# Altium PCB SJ2096POE.PcbDoc (part 5 of 5)
Units mm, origin at the board's own origin, x right, y up, seen from the top; angles counter-clockwise.
Board outline 60 x 60 mm, 4 copper layers (Top Layer, Layer 2, Layer 3, Bottom Layer), stack 1.578 mm thick; 235 components, 211 nets, 948 pads, 686 vias.
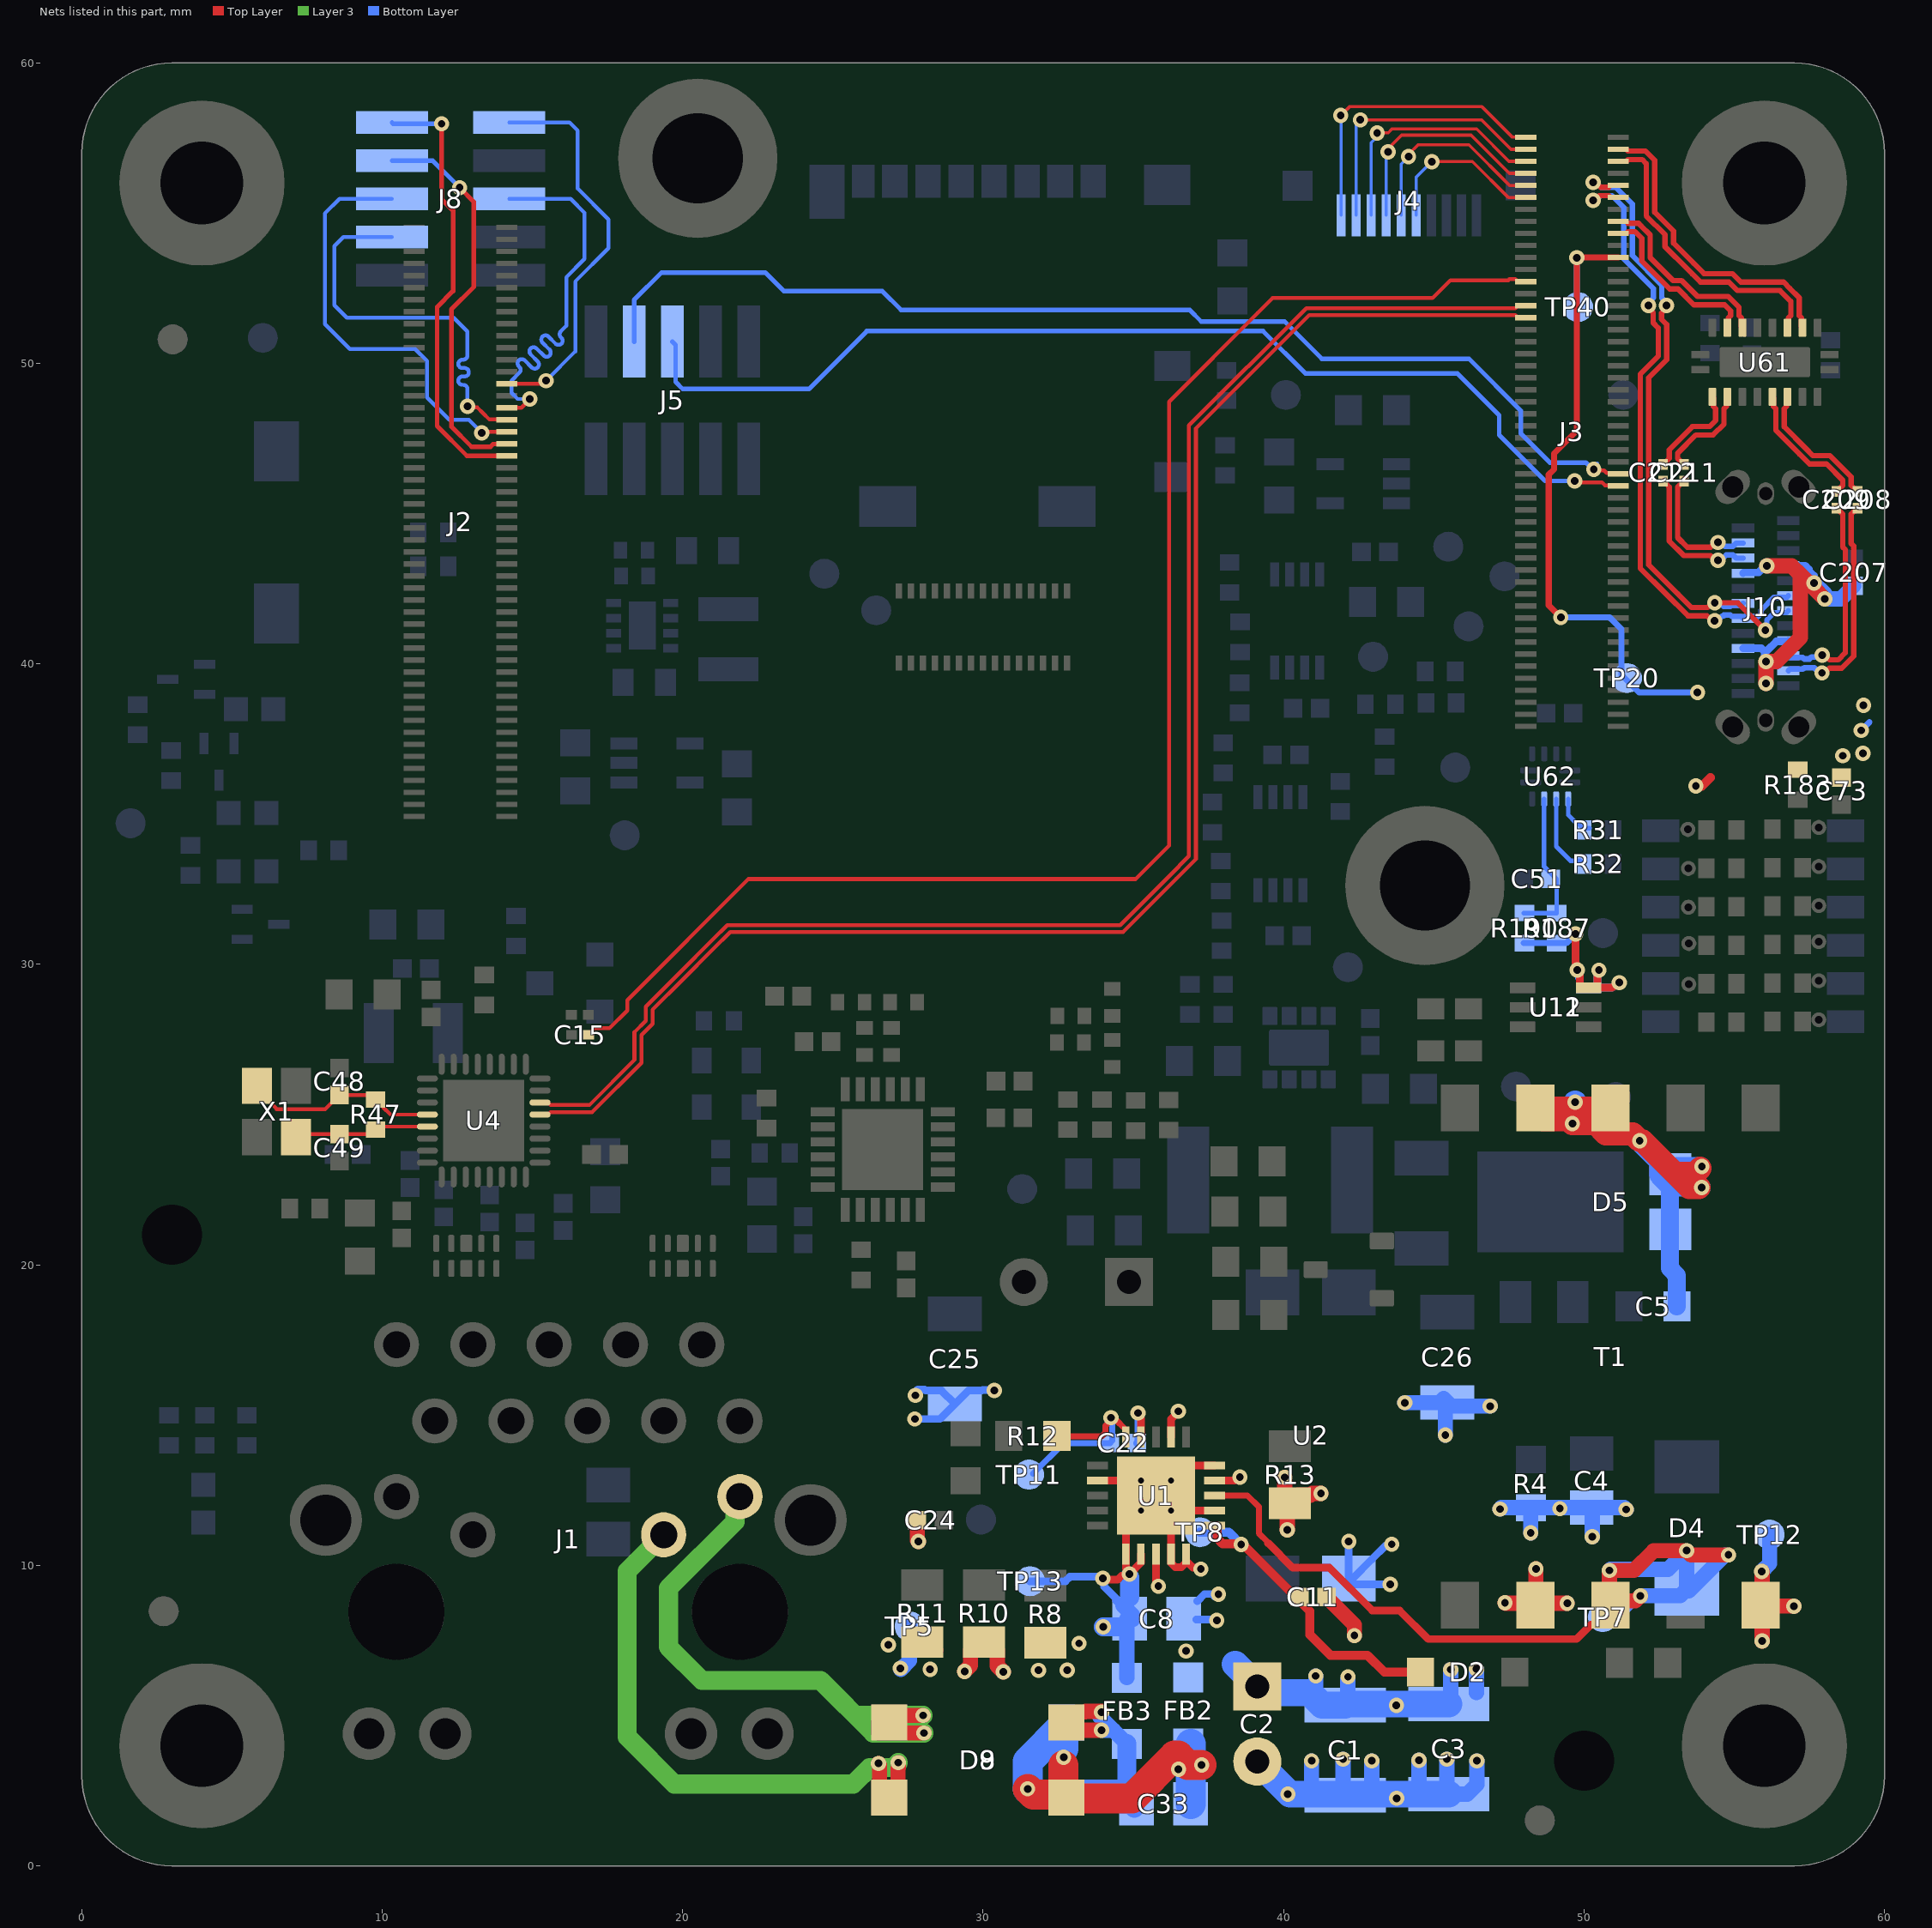
[diagram p7: the nets of this part, all layers, seen from the top]

## Via types
v1: diameter 0.508, hole 0.254, Top Layer to Bottom Layer, tented both sides, 674 vias
v2: diameter 0.406, hole 0.203, Top Layer to Bottom Layer, 10 vias
v3: diameter 0.508, hole 0.254, Top Layer to Bottom Layer, 2 vias

## Nets (pads, with @x,y where several pads share a name; then routed paths per layer and width w, separated by ;. In a path a pad name is that pad's centre, name@x,y a point inside that pad or via, vN(x,y) a via of type N, cw(c..) or ccw(c..) an arc to the next point about the centre after c; other vN are vias at no path point) (continued)
SDS_RXD_P: C15.1 J3.75 | length 50.5
  Top Layer w0.13: C15.1@16.865,27.658 16.885,27.658 16.98,27.753 16.98,27.8 17.056,27.876 17.563,27.876 18.157,28.47 18.157,28.809 22.188,32.84 35.075,32.84 36.19,33.955 36.19,48.728 39.134,51.673 39.634,52.173 44.958,52.173 45.556,52.77 47.476,52.77 47.515,52.809 47.716,52.809 47.8,52.725 J3.75@48.06,52.725
SDS_TXD_N: J3.71 U4.14 | length 53.1
  Top Layer w0.13: U4.14@15.251,25.403 15.52,25.403 15.605,25.319 16.894,25.319 18.394,26.819 18.394,27.746 18.769,28.121 18.769,28.596 19.884,29.711 20.992,30.819 21.484,31.311 34.56,31.311 36.202,32.953 36.85,33.601 36.85,47.935 40.755,51.841 47.716,51.841 47.8,51.925 J3.71@48.06,51.925
SDS_TXD_P: J3.69 U4.13 | length 53.1
  Top Layer w0.13: U4.13@15.251,25.003 15.52,25.003 15.605,25.088 16.99,25.088 18.625,26.723 18.625,27.65 19,28.025 19,28.5 19.98,29.48 21,30.5 21.58,31.08 34.656,31.08 36.433,32.857 37.081,33.505 37.081,47.839 40.851,51.609 47.716,51.609 47.8,51.525 J3.69@48.06,51.525
SP1: D8.2 J1.13 | length 20
  Top Layer w0.5: J1.13@19.365,11.02 J1.13@19.553,11.208 ; v1(26.517,3.412) 26.559,3.369 26.559,2.591 D8.2@26.875,2.275 27.16,2.56 27.16,3.254 27.179,3.274 27.175,3.278 v1(27.175,3.438)
  Layer 3 w0.635: J1.13@19.365,11.02 18.15,9.805 18.15,4.297 19.722,2.725 25.675,2.725 26.226,3.276 27.013,3.276 v1(27.175,3.438)
SP2: D8.3 J1.14 | length 21.4
  Top Layer w0.5: J1.14@21.905,12.29 J1.14@22.176,12.29
  Top Layer w0.508: D8.3@26.875,4.775 26.539,4.775 26.533,4.769 26.533,4.425 v1(28.034,4.425) ; D8.3@26.875,5.009 v1(28.004,5.009)
  Layer 3 w0.635: J1.14@21.905,12.29 21.739,12.124 21.739,11.457 19.525,9.242 19.525,7.291 20.641,6.175 24.59,6.175 26.34,4.425 v1(28.034,4.425) ; 25.831,5.009 v1(28.004,5.009)
SPI_SCK: J2.74 J8.1 | length 13.1
  Top Layer w0.127: J2.74@14.14,49.325 v1@15.247,49.325
  Bottom Layer w0.127: J8.1@14.225,58.015 16.237,58.015 16.5,57.752 16.5,55.825 17.531,54.794 17.531,53.831 16.425,52.725 16.425,50.4 v1(15.45,49.425)
SPI_SIO0: J2.62 J8.2 | length 14.8
  Top Layer w0.152: v3(11.975,57.975) 11.975,55.472 12.359,55.088 12.359,52.409 11.825,51.875 11.825,47.919 12.819,46.925 J2.62@14.14,46.925
  Bottom Layer w0.152: J8.2@10.325,58.015 10.365,57.975 v3(11.975,57.975)
SPI_SIO1: J2.64 J8.4 | length 13.2
  Top Layer w0.152: v3(12.575,55.85) 13.05,55.375 13.05,52.55 12.3,51.8 12.3,47.9 12.975,47.225 13.6,47.225 13.691,47.316 14.131,47.316 J2.64@14.14,47.325
  Bottom Layer w0.152: J8.4@10.325,56.745 11.68,56.745 v3(12.575,55.85)
SPI_SIO2: J2.66 J8.6 | length 14.4
  Top Layer w0.127: v1(13.314,47.689) 13.35,47.725 J2.66@14.14,47.725
  Bottom Layer w0.127: J8.6@10.325,55.475 8.575,55.475 8.097,54.997 8.097,51.303 8.92,50.48 11.093,50.48 11.489,50.084 11.489,48.867 12.235,48.12 12.883,48.12 v1(13.314,47.689)
SPI_SIO3: J2.68 J8.8 | length 13.8
  Top Layer w0.127: v1@12.673,48.575 v1(12.837,48.575) 12.88,48.532 13.168,48.532 13.346,48.355 13.568,48.132 14.133,48.132 J2.68@14.14,48.125
  Bottom Layer w0.127: J8.8@10.325,54.205 8.705,54.205 8.408,53.908 8.408,51.936 8.819,51.525 12.379,51.525 12.837,51.067 12.837,50.933 12.837,50.264 cw(c12.697,50.264) 12.697,50.124 12.672,50.124 ccw(c12.672,49.985) 12.532,49.985 ccw(c12.672,49.985) 12.672,49.845 12.742,49.845 cw(c12.742,49.706) 12.882,49.706 cw(c12.742,49.706) 12.742,49.566 12.672,49.566 ccw(c12.672,49.427) 12.532,49.427 ccw(c12.672,49.427) 12.672,49.287 12.697,49.287 cw(c12.697,49.148) 12.837,49.148 12.837,49.084 v1(12.837,48.575)
SPI_SS_0: J2.70 J8.5 | length 14.5
  Top Layer w0.127: J2.70@14.477,48.552 14.166,48.552 J2.70@14.14,48.525 14.632,48.525 v1@14.922,48.816
  Bottom Layer w0.127: J8.5@14.225,55.475 16.271,55.475 16.734,55.012 16.734,53.475 16.125,52.867 16.125,51.25 15.99,51.115 15.945,51.07 ccw(c16.043,50.971) 15.945,50.873 15.963,50.854 cw(c15.864,50.756) 15.766,50.657 15.532,50.891 ccw(c15.433,50.792) 15.335,50.891 ccw(c15.433,50.792) 15.335,50.694 15.569,50.46 cw(c15.47,50.361) 15.569,50.262 cw(c15.47,50.361) 15.371,50.262 15.137,50.496 ccw(c15.039,50.398) 14.94,50.299 15.174,50.065 cw(c15.075,49.967) 15.174,49.868 cw(c15.075,49.967) 14.977,49.868 14.743,50.102 ccw(c14.644,50.003) 14.546,50.102 ccw(c14.644,50.003) 14.546,49.904 14.564,49.886 cw(c14.465,49.787) 14.564,49.689 14.3,49.425 14.3,49.025 14.509,48.816 v1(14.909,48.816)
SWO: D4.2 T1.3 TP7.1 U1.18 | length 32.8
  Top Layer w0.203: U1.18@37.7,12.325 38.22,12.325 38.222,12.327 38.798,12.327 39.175,11.95 39.175,11.069 39.476,10.768
  Top Layer w0.254: 39.483,10.742 40.3,9.925 41.525,9.925 42.95,8.5 ; 43.625,8.5 42.95,8.5 ; T1.3@50.875,8.675 50.875,8.535 50.367,8.027 50.227,8.027 49.75,7.55 44.811,7.55 43.861,8.5 42.95,8.5
  Top Layer w0.508: T1.3@50.875,8.535 50.845,8.565 v1(50.845,9.835) 51.66,9.835 52.318,10.493 v1(53.417,10.493) 53.559,10.351 v1(54.805,10.351) ; T1.3@50.875,8.675 51.019,8.819 51.71,8.819 v1(51.876,8.985)
  Bottom Layer w0.254: TP7.1@50.621,8.281 50.715,8.375 51.265,8.375 v1(51.876,8.985)
  Bottom Layer w0.508: v1(50.845,9.835) 50.88,9.871 52.795,9.871 v1(53.417,10.493) 53.417,9.226 D4.2@53.425,9.218 ; v1(51.876,8.985) 51.881,8.991 53.198,8.991 D4.2@53.425,9.218 ; v1(54.805,10.351) 54.684,10.351 53.488,9.155 D4.2@53.425,9.218
SYS_RST: J3.89 J4.6 | length 5.6
  Top Layer w0.102: v1(44.931,56.714) 46.287,56.714 47.476,55.525 J3.89@48.06,55.525
  Bottom Layer w0.102: J4.6@44.416,54.93 44.416,56.199 v1(44.931,56.714)
TCK: J3.97 J4.2 | length 9.1
  Top Layer w0.102: v1(42.553,58.105) 46.59,58.105 47.57,57.125 J3.97@48.06,57.125
  Bottom Layer w0.102: J4.2@42.416,54.93 42.416,57.968 v1(42.553,58.105)
TDI: J3.95 J4.3 | length 8.3
  Top Layer w0.102: v1@43.145,57.588 43.233,57.676 43.482,57.676 43.606,57.8 46.424,57.8 47.499,56.725 J3.95@48.06,56.725
  Bottom Layer w0.102: J4.3@42.917,54.93 42.917,57.343 43.113,57.539 v1(43.113,57.666)
TDO: J3.91 J4.5 | length 6.8
  Top Layer w0.102: v1@44.194,56.918 v1(44.158,56.881) 44.158,56.918 44.158,56.958 44.475,57.275 46.169,57.275 47.519,55.925 J3.91@48.06,55.925
  Bottom Layer w0.102: J4.5@43.917,54.93 43.917,56.632 44.158,56.873 v1(44.158,56.881)
TMS: J3.99 J4.1 | length 9.9
  Top Layer w0.102: v1@41.956,58.306 42.191,58.541 46.602,58.541 47.617,57.526 J3.99@48.06,57.525
  Bottom Layer w0.102: v1(41.9,58.25) 41.916,58.234 J4.1@41.916,54.93
TRST: J3.93 J4.4 | length 7.5
  Top Layer w0.102: v1(43.474,57.041) 43.474,57.139 43.932,57.597 46.242,57.597 47.514,56.325 J3.93@48.06,56.325
  Bottom Layer w0.102: J4.4@43.416,54.93 43.416,56.939 v1@43.474,56.996
TXB1_N: C209.2 U61.16 | length 4.6
  Top Layer w0.178: U61.16@56.269,48.892 56.305,48.856 56.305,48.568 56.38,48.493 56.38,47.775 57.177,46.977 57.505,46.65 58.069,46.65 58.61,46.109 58.61,45.937 58.506,45.833 58.471,45.833 58.4,45.762 C209.2@58.4,45.742
TXB1_P: C208.2 U61.17 | length 4.6
  Top Layer w0.178: U61.17@56.769,48.892 56.733,48.856 56.733,48.568 56.659,48.493 56.659,47.891 57.375,47.175 57.62,46.93 58.185,46.93 58.89,46.225 58.89,45.937 58.994,45.833 59.029,45.833 59.1,45.762 C208.2@59.1,45.742
TXB_N: C209.1 J10.A3 | length 7.1
  Top Layer w0.178: v1(57.923,40.296) 58.013,40.296 58.174,40.135 58.456,40.135 58.693,40.371 58.693,43.807 58.61,43.89 58.61,44.987 58.506,45.091 58.471,45.091 58.4,45.162 C209.1@58.4,45.182
  Bottom Layer w0.188: J10.A3@56.8,40.27 56.856,40.214 57.279,40.214 57.328,40.164 57.5,40.164 57.571,40.235 57.862,40.235 v1(57.923,40.296)
TXB_P: C208.1 J10.A2 | length 7.6
  Top Layer w0.178: v1(57.919,39.699) 58.008,39.699 58.164,39.855 58.572,39.855 58.972,40.255 58.972,43.923 58.89,44.006 58.89,44.987 58.994,45.091 59.029,45.091 59.1,45.162 C208.1@59.1,45.182
  Bottom Layer w0.188: J10.A2@56.8,39.77 56.856,39.826 57.279,39.826 57.328,39.875 57.657,39.875 57.832,39.699 v1(57.919,39.699)
TXC1_N: C212.2 U61.12 | length 3.4
  Top Layer w0.178: C212.2@52.624,46.641 52.624,46.661 52.695,46.732 52.73,46.732 52.834,46.837 52.834,47.125 53.609,47.9 54.18,47.9 54.38,48.1 54.38,48.493 54.305,48.568 54.305,48.856 U61.12@54.269,48.892
TXC1_P: C211.2 U61.13 | length 3.4
  Top Layer w0.178: C211.2@53.324,46.641 53.324,46.661 53.253,46.732 53.218,46.732 53.114,46.837 53.114,47.009 53.725,47.62 54.295,47.62 54.659,47.984 54.659,48.493 54.733,48.568 54.733,48.856 U61.13@54.769,48.892
TXC_N: C212.1 J10.B3 | length 4.9
  Top Layer w0.178: C212.1@52.624,46.081 52.624,46.061 52.695,45.99 52.73,45.99 52.834,45.886 52.834,45.634 52.834,44.089 53.318,43.605 53.85,43.605 54.21,43.605 54.368,43.447 v1(54.458,43.447)
  Bottom Layer w0.178: v1(54.458,43.447) 54.547,43.447 54.73,43.63 54.955,43.63 55.065,43.52 J10.B3@55.29,43.52
TXC_P: C211.1 J10.B2 | length 4.5
  Top Layer w0.178: C211.1@53.324,46.081 53.324,46.061 53.253,45.99 53.218,45.99 53.114,45.886 53.114,45.519 53.114,44.204 53.434,43.885 53.602,43.885 54.21,43.885 54.368,44.044 v1(54.458,44.044)
  Bottom Layer w0.178: v1(54.458,44.044) 54.547,44.044 54.681,43.91 54.955,43.91 55.065,44.02 J10.B2@55.29,44.02
UART_RX: J3.42 J5.6 | length 36.2
  Top Layer w0.127: v1(49.69,46.089) 49.739,46.04 50.599,46.04 50.65,45.989 50.699,45.94 51.125,45.94 J3.42@51.14,45.925
  Bottom Layer w0.152: J5.6@19.655,50.725 19.764,50.616 19.764,49.386 20,49.15 24.2,49.15 26.127,51.077 39.316,51.077 40.732,49.661 45.784,49.661 47.175,48.271 47.175,47.616 48.702,46.089 v1(49.69,46.089)
UART_TX: J3.44 J5.8 | length 38.1
  Top Layer w0.127: v1(50.323,46.471) 50.358,46.436 50.662,46.436 50.747,46.352 51.113,46.352 J3.44@51.14,46.325
  Bottom Layer w0.127: v1(50.323,46.471) 50.424,46.471 50.435,46.46 v1@50.435,46.665
  Bottom Layer w0.152: J5.8@18.385,50.725 18.385,52.11 19.3,53.025 22.75,53.025 23.372,52.403 26.645,52.403 27.267,51.781 36.872,51.781 37.26,51.393 40.032,51.393 41.273,50.152 46.17,50.152 47.9,48.422 47.9,47.663 48.863,46.7 50.056,46.7 50.284,46.471 v1(50.323,46.471)
USB_CM: R31.1 U62.3 | length 1.5
  Bottom Layer w0.152: U62.3@49.471,35.509 49.471,34.974 49.72,34.726 49.77,34.726 R31.1@49.963,34.532 ; R31.1@49.969,34.477 49.969,34.527 R31.1@49.963,34.532 ; R31.1@50.178,34.532 R31.1@49.963,34.532
USB_D_N: J3.90 J10.A7 J10.B7 | length 21.2
  Top Layer w0.178: v1(50.3,55.427) 50.389,55.427 50.548,55.585 ; 50.5,55.585 50.548,55.585 ; J3.90@51.14,55.525 50.88,55.525 50.82,55.585 50.548,55.585 ; v1(52.144,51.931) 52.144,51.842 52.3,51.687 52.3,51.353 52.47,51.183 52.47,50.241 51.87,49.641 51.87,43.184 52.714,42.341 53.457,41.597 54.095,41.597 54.257,41.435 v1(54.346,41.435)
  Bottom Layer w0.178: v1(50.3,55.427) 50.389,55.427 50.545,55.582 50.931,55.582 51.325,55.188 51.325,53.475 52.306,52.494 52.306,52.182 52.144,52.021 v1(52.144,51.931) ; v1(54.346,41.435) 54.435,41.435 54.592,41.592 54.646,41.592 ; 54.646,41.63 54.867,41.63 54.916,41.581 55.229,41.581 J10.B7@55.29,41.52 55.343,41.573 55.784,41.573 55.888,41.677 55.888,41.787 56.312,42.211 56.742,42.211 J10.A7@56.8,42.27
USB_D_P: J3.92 J10.A6 J10.B6 | length 23
  Top Layer w0.178: v1(50.304,56.023) 50.393,56.023 50.552,55.865 50.82,55.865 50.88,55.925 J3.92@51.14,55.925 J3.92@51.139,55.924 ; v1(52.741,51.927) 52.741,51.838 52.58,51.676 52.58,51.469 52.75,51.299 52.75,50.125 52.15,49.525 52.15,43.3 53.125,42.325 53.573,41.877 54.105,41.877 54.261,42.032 v1(54.35,42.032) 55.124,42.032 v1(56.034,41.121)
  Bottom Layer w0.178: v1(50.304,56.023) 50.393,56.023 50.555,55.862 51.047,55.862 51.605,55.304 51.605,53.591 ; 51.605,54.314 51.605,53.591 ; v1(52.741,51.927) 52.741,52.017 52.586,52.172 52.586,52.61 51.605,53.591 ; v1@54.588,41.969 54.648,41.91 54.871,41.91 54.92,41.959 55.229,41.959 J10.B6@55.29,42.02 ; v1(56.034,41.121) 56.081,41.168 56.081,41.456 56.334,41.709 56.739,41.709 J10.A6@56.8,41.77
USB_PORT: R32.1 U62.4 | length 2.7
  Bottom Layer w0.152: U62.4@49.071,35.509 49.071,33.929 49.554,33.446 49.867,33.446 49.913,33.4 R32.1@49.969,33.344
USB_RX_N: J3.96 U61.4 | length 9.9
  Top Layer w0.178: J3.96@51.14,56.725 51.4,56.725 51.46,56.785 51.931,56.785 52.071,56.646 52.071,54.912 52.696,54.287 52.696,53.884 53.447,53.133 53.601,52.979 53.871,52.709 54.821,52.709 55.105,52.425 56.525,52.425 56.88,52.07 56.88,51.589 56.805,51.515 56.805,51.228 U61.4@56.769,51.192
USB_RX_P: J3.98 U61.3 | length 10.4
  Top Layer w0.178: J3.98@51.14,57.125 51.4,57.125 51.46,57.065 52.047,57.065 52.35,56.762 52.35,55.027 52.975,54.402 52.975,54 53.644,53.331 53.987,52.988 54.937,52.988 55.175,52.75 55.221,52.704 56.641,52.704 56.848,52.498 57.159,52.186 57.159,51.589 57.233,51.515 57.233,51.228 U61.3@57.269,51.192
USB_TX_N: J3.84 U61.8 | length 5.9
  Top Layer w0.178: J3.84@51.14,54.325 51.4,54.325 51.46,54.385 51.699,54.385 51.921,54.164 51.921,53.407 52.85,52.477 53.127,52.477 53.655,51.95 54.68,51.95 54.88,51.75 54.88,51.589 54.805,51.515 54.805,51.228 U61.8@54.769,51.192
USB_TX_P: J3.86 U61.7 | length 6.4
  Top Layer w0.178: J3.86@51.14,54.725 51.4,54.725 51.46,54.665 51.815,54.665 51.899,54.58 52.2,54.279 52.2,53.523 52.966,52.757 53.243,52.757 53.771,52.229 54.795,52.229 55.159,51.866 55.159,51.589 55.233,51.515 55.233,51.228 U61.7@55.269,51.192
VBUS: C73.2 C207.2 J3.80 J10.A4 J10.A9 J10.B4 J10.B9 R183.2 R187.1 R190.1 TP20.1 TP40.1 U11.3 U12.1 | length 46.2
  Top Layer w0.203: 48.825,42.664 48.825,41.95 ; v1(49.225,41.55) 48.825,41.95 ; J3.80@51.14,53.525 49.766,53.525 v1(49.759,53.518) 49.759,47.759 49,47 49,46.475 48.825,46.3 48.825,41.95
  Top Layer w0.254: v1(49.715,31.013) 49.715,30.057 49.727,30.045 49.727,29.865 v1(49.776,29.816) 49.776,29.748 49.853,29.67 49.853,29.273 49.901,29.225 U11.3@50.15,29.225 U11.3@50.4,29.225 ; v1(50.493,29.81) 50.448,29.765 50.448,29.273 U11.3@50.4,29.225 ; v1(51.174,29.395) 51.105,29.395 50.935,29.225 U11.3@50.4,29.225
  Top Layer w0.3: v1@53.925,35.937 54.2,36.212
  Top Layer w0.508: v1@56.056,39.351 v1(56.056,40.078) 56.403,40.078 57.2,40.875 57.2,41.925 57.194,41.931 57.194,42.978 ; v1(56.086,43.265) 56.908,43.265 57.194,42.978 ; v1(58.012,42.16) 57.654,42.519 v1(57.654,42.691) 57.481,42.691 57.194,42.978
  Bottom Layer w0.203: R190.1@47.99,30.709 R187.1@49.09,30.709 49.41,30.709 v1(49.715,31.013) ; v1(49.225,41.55) 50.85,41.55 51.243,41.157 51.243,39.639 51.832,39.05 v1(53.775,39.05) ; v1(49.759,53.518) 49.759,51.916 TP40.1@49.8,51.875 ; v1(59.223,37.788) 59.5,38.064
  Bottom Layer w0.254: v1(49.776,29.816) 49.825,29.768 49.825,29.55 49.852,29.523 49.852,29.273 49.9,29.225 U12.1@50.15,29.225 U12.1@50.4,29.225 ; v1(50.493,29.81) 50.448,29.765 50.448,29.273 U12.1@50.4,29.225 ; v1(51.174,29.395) 51.105,29.395 50.935,29.225 U12.1@50.4,29.225 ; J10.B9@55.29,40.52 55.905,40.52 56.008,40.417 56.008,40.127 v1(56.056,40.078) ; J10.B4@55.29,43.02 55.313,43.043 55.81,43.043 v1@56.032,43.265 ; v1(56.057,39.351) 56.057,40.01 v1@56.087,40.04 ; v1(56.086,43.265) v1@56.032,43.265 ; 56.087,40.437 56.397,40.747 56.777,40.747 J10.A4@56.8,40.77 ; J10.A9@56.8,43.27 56.797,43.267 56.035,43.267 v1@56.032,43.265 ; J10.A9@56.8,43.27 57.314,43.269 ; 57.478,43.147 57.356,43.269 57.314,43.269 ; v1@57.664,42.681 v1(57.654,42.691) 57.654,42.93 57.314,43.269
  Bottom Layer w0.508: v1@57.664,42.681 58.012,42.333 v1(58.012,42.16) 58.538,42.16 C207.2@58.975,42.597
  other v1: 53.722,35.937 58.606,36.945 59.278,37.021 59.3,38.625
VBUS_DET: C51.2 R187.2 R190.2 U62.5 | length 5.1
  Bottom Layer w0.152: R190.2@47.99,31.709 R187.2@49.09,31.709 49.09,32.835 48.671,33.254 U62.5@48.671,35.509
VDD: C22.2 R12.2 TP11.1 U1.5 | length 6.8
  Top Layer w0.203: R12.2@32.608,14.333 32.643,14.298 33.946,14.298 34.065,14.417 34.065,14.646 34.257,14.838 v1(34.257,14.917) ; v1@34.296,14.961 34.398,14.859 34.405,14.859 34.727,14.537 34.727,14.298 U1.5@34.75,14.275
  Bottom Layer w0.203: TP11.1@31.656,13.052 32.676,14.072 C22.2@34.218,14.072 34.3,14.154 v1@34.3,14.875
VNEG: C8.1 C25.1 FB3.2 R10.1 TP13.1 U1.7 U1.11 U1.12 U1.14 U1.15 U1.17 U1.20 U1.21 | length 29.3
  Top Layer w0.254: U1.7@33.8,12.825 v2(35.25,12.825) U1.21@35.75,12.325 ; v1@34.212,9.525 34.475,9.525 34.612,9.662 34.821,9.662 v1(34.87,9.711) 35.25,10.091 U1.12@35.25,10.375 ; v1@34.75,9.899 U1.11@34.75,10.375 34.75,11.325 v2(35.25,11.825) U1.21@35.75,12.325 ; U1.15@36.75,10.094 36.601,9.946 36.391,9.946 36.25,10.086 U1.14@36.25,10.375 v2(36.25,11.825) ; U1.15@36.75,10.157 U1.15@36.75,10.375 ; U1.15@36.752,10.152 36.754,10.15 36.757,10.15 36.978,9.929 37.198,9.929 v1(37.247,9.88) ; U1.17@37.7,11.825 v2(36.25,11.825) ; U1.20@37.7,13.325 36.75,13.325 v2(36.25,12.825) U1.21@35.75,12.325 ; U1.21@35.75,12.325 v2(36.25,11.825)
  Top Layer w0.508: v1(29.381,6.47) 29.579,6.669 29.579,7.179 29.85,7.45 R10.1@30.025,7.45 30.2,7.45 30.471,7.179 30.471,6.659 v1(30.67,6.46)
  Bottom Layer w0.254: v1(27.725,14.873) 28.56,14.873 C25.1@29.059,15.372 ; v1(27.745,15.66) 27.745,15.778 27.824,15.857 28.047,15.857 28.084,15.82 28.611,15.82 C25.1@29.059,15.372 ; v1@30.364,15.847 30.357,15.84 29.981,15.84 29.961,15.82 29.507,15.82 C25.1@29.059,15.372 ; TP13.1@31.559,9.475 32.736,9.475 32.886,9.625 v1@33.85,9.625 ; v1(33.983,9.574) 34.031,9.526 34.031,9.294 34.427,8.898 34.427,8.823 34.512,8.738 C8.1@34.587,8.738 ; C8.1@34.87,8.305 C8.1@34.975,8.2
  Bottom Layer w0.508: C8.1@34.654,8.671 34.975,8.35 C8.1@34.975,8.2 ; FB3.2@34.786,6.264 34.786,8.221 C8.1@34.87,8.305
  Bottom Layer w0.635: v1(34.001,7.96) C8.1@34.657,7.96 ; 34.875,8.95 v1@34.875,9.606
  other v1: 30.369,15.82
VNEG_IN: C33.1 D8.4 D9.4 FB3.1 | length 9.6
  Top Layer w0.508: v1@33.903,4.514 33.036,4.514 D8.4@32.775,4.775 33.121,5.121 33.397,5.121 33.419,5.142 v1@33.934,5.142
  Bottom Layer w0.508: v1(33.937,5.115) 33.937,5.031 33.878,4.971 FB3.1@34.786,4.064 34.336,4.513 v1(33.943,4.513)
  Bottom Layer w0.635: FB3.1@34.786,4.064 34.786,2.536 35.031,2.291 C33.1@35.031,1.922
  Bottom Layer w1: D9.4@32.775,2.275 32.872,2.372 C33.1@35.031,2.372
VPOS: C1.2 C2.1 C3.2 C4.2 C8.2 C26.1 FB2.2 R4.2 R8.1 R11.1 T1.4 TP5.1 U1.2 U1.13 | length 30.4
  Top Layer w0.254: v1@35.75,9.389 U1.13@35.75,10.375 U1.13@35.756,10.369 ; U1.2@36.25,14.275 36.25,14.864 36.497,15.111 v1(36.497,15.13)
  Top Layer w0.508: R11.1@27.975,7.45 28.15,7.45 R11.1@28.421,7.179 ; R8.1@31.795,7.154 32.066,7.425 R8.1@32.075,7.425 ; v1(47.367,8.761) 47.386,8.742 T1.4@48.398,8.742 ; T1.4@48.375,8.675 48.398,8.698 T1.4@48.398,8.742 ; v1(48.398,9.888) T1.4@48.398,8.742 ; v1(49.44,8.742) T1.4@48.398,8.742
  Bottom Layer w0.254: C8.2@37.1,8.2 v1@37.768,8.2 ; C8.2@37.126,8.81 37.366,9.05 v1@37.843,9.05 ; v1@37.693,8.975 37.764,9.045 v1(37.832,9.045)
  Bottom Layer w0.508: v1@27.26,6.545 27.55,6.835 TP5.1@27.55,7.975 ; C1.2@41.069,5.537 41.069,5.556 v1(41.069,6.324) ; C1.2@42.133,5.413 v1@42.133,6.2 ; v1(44.032,15.414) 45.188,15.414 45.325,15.55 C26.1@45.45,15.425 45.575,15.3 v1(46.875,15.3) ; v1(45.384,14.341) 45.384,15.359 C26.1@45.428,15.403 ; C3.2@45.564,5.75 v1(45.564,6.537) ; C3.2@46.421,5.767 v1(46.421,6.553) ; v1(47.2,11.875) 47.25,11.925 R4.2@48.225,11.925 ; v1(48.225,11.081) R4.2@48.225,11.925 ; v1(50.276,10.952) 50.276,11.899 C4.2@50.25,11.925 ; v1(51.4,11.861) 51.336,11.925 C4.2@50.25,11.925 ; R4.2@48.225,11.925 C4.2@50.25,11.925
  Bottom Layer w0.889: C2.1@38.388,6.712 C2.1@39.125,5.975 39.334,5.766 40.859,5.766 41.069,5.556 41.275,5.35 C1.2@42.05,5.35 42.09,5.39 C3.2@45.5,5.39
  other v1: 43.753,5.34 42.141,6.294 31.839,6.51 32.796,6.515 28.235,6.545 27.244,6.577 36.753,7.153 26.844,7.355 33.191,7.408 37.776,8.172 35.833,9.308 49.196,11.892
VPOS_IN: C33.2 D8.1 D9.1 FB2.1 | length 13.2
  Top Layer w1: v1(31.48,2.565) 31.67,2.375 32.675,2.375 D8.1@32.775,2.275 ; 32.675,3.345 32.675,2.542 32.775,2.294 D8.1@32.775,2.275 ; v1(37.272,3.359) 36.809,3.359 36.5,3.667 36.367,3.667 34.95,2.25 32.8,2.25 D8.1@32.775,2.275
  Bottom Layer w1: v1(31.48,2.565) 31.48,3.48 D9.1@32.675,4.675 ; 32.675,3.903 D9.1@32.675,4.675 ; D9.1@32.775,4.775 D9.1@32.675,4.675 ; C33.2@36.906,2.066 36.906,4.059 FB2.1@36.908,4.061
  other v1: 36.5,3.217 32.68,3.618
VSEC: C5.2 D5.2 T1.7 T1.8 | length 18.9
  Top Layer w0.762: T1.8@50.928,25.172 T1.8@50.875,25.225 T1.7@48.375,25.225 48.375,25.085 48.629,24.831 49.48,24.831 v1(49.611,24.7) 50.384,24.7 50.722,24.363 51.622,24.363 v1(51.849,24.136) 51.939,24.136 53.023,23.052 ; v1@53.825,22.575 53.5,22.575 53.023,23.052 ; v1@53.863,23.22 53.695,23.052 53.023,23.052
  Bottom Layer w0.6: D5.2@52.965,23.285 v1@53.898,23.285 ; C5.2@53.089,18.62 53.089,19.655 52.85,19.894 52.85,22.707 52.98,22.576 v1(53.913,22.576)
  Bottom Layer w0.762: v1@49.703,24.7 v1(49.703,25.421) ; v1(51.849,24.136) 51.875,24.136 52.546,23.465 52.546,23.011 D5.2@52.845,22.711
  other v1: 53.92,23.276
VSS: C1.1 C2.2 C3.1 C11.1 C22.1 C24.1 R13.2 T1.1 TP12.1 U1.4 U1.19 U2.3 | length 30
  Top Layer w0.254: v1@35.142,15.008 35.25,14.9 U1.4@35.25,14.275 ; U1.19@37.7,12.825 37.702,12.827 38.367,12.827 38.476,12.937 v1(38.545,12.937)
  Top Layer w0.508: C24.1@27.797,11.507 27.806,11.498 27.806,10.834 v1(27.846,10.794) ; v1(40.036,12.932) 40.036,12.243 R13.2@40.213,12.066 ; v1(40.125,11.187) 40.125,11.979 R13.2@40.213,12.066 ; v1(41.242,12.399) 40.956,12.399 40.894,12.337 40.484,12.337 R13.2@40.213,12.066 ; C11.1@41.425,8.95 42.356,8.019 v1(42.356,7.667) ; T1.1@55.875,8.675 55.898,8.652 T1.1@55.926,8.652 ; v1(55.912,9.798) 55.926,9.783 T1.1@55.926,8.652 ; v1(55.926,7.486) T1.1@55.926,8.652 ; v1(56.987,8.64) 56.974,8.652 T1.1@55.926,8.652
  Bottom Layer w0.254: C22.1@35.118,14.072 35.164,14.118 35.164,15.067 v1(35.157,15.074) ; v1(42.169,10.795) U2.3@42.17,9.565 U2.3@42.17,9.565 42.3,9.565 42.933,10.198 43.393,10.658 43.55,10.658 v1(43.599,10.706) ; U2.3@42.235,9.5 42.364,9.371 v1(43.552,9.371)
  Bottom Layer w0.508: C1.1@40.931,2.711 v1(40.931,3.498) ; C1.1@41.981,2.767 v1(41.981,3.554) ; C1.1@42.931,2.711 v1(42.931,3.498) ; C3.1@44.508,2.727 v1(44.508,3.514) ; C3.1@45.431,2.766 v1(45.431,3.553) ; C3.1@45.5,2.39 46.11,2.39 46.431,2.711 v1(46.431,3.498) ; v1(55.912,9.798) 56.175,10.061 TP12.1@56.175,11.025
  Bottom Layer w0.889: C2.2@39.125,3.475 40.21,2.39 C3.1@45.5,2.39
  other v1: 43.76,2.251 40.141,2.388
VT15V: C11.2 D2.1 TP8.1 U1.16 | length 10.8
  Top Layer w0.3: U1.16@37.791,11.3 37.791,10.901 37.967,10.725 v1@38.6,10.725 ; v1@38.757,10.593 40.874,8.476 40.874,7.699 41.564,7.009 42.791,7.009 43.35,6.45 D2.1@44.55,6.45
  Bottom Layer w0.3: TP8.1@37.214,11.104 38.18,11.104 v1(38.587,10.697)
XI: C48.2 R47.1 U4.28 X1.1 | length 6.6
  Top Layer w0.127: X1.1@5.826,25.953 5.826,25.853 6.476,25.203 6.476,25.178 8.101,25.178 C48.2@8.576,25.653 9.626,25.653 R47.1@9.776,25.503 9.826,25.503 10.038,25.292 10.038,25.242 10.276,25.003 U4.28@11.501,25.003
XO: C49.2 R47.2 U4.29 X1.3 | length 4.5
  Top Layer w0.127: X1.3@7.126,24.253 7.226,24.353 C49.2@8.576,24.353 9.626,24.353 9.876,24.603 U4.29@11.501,24.603
pads on no net: FID1.1 FID2.1 FID3.1 FID4.1 FID5.1 FID6.1 J1. J2.2 J2.4 J2.6 J2.8 J2.10 J2.12 J2.14 J2.16 J2.18 J2.20 J2.22 J2.24 J2.26 J2.43 J2.44 J2.45 J2.46 J2.47 J2.48 J2.49 J2.50 J2.51 J2.52 J2.53 J2.54 J2.55 J2.56 J2.57 J2.58 J3.17 J3.19 J3.21 J3.23 J3.25 J3.27 J3.29 J3.31 J3.33 J3.35 J3.37 J3.39 J3.41 J3.43 J3.45 J3.46 J3.47 J3.48 J3.49 J3.50 J3.51 J3.52 J3.53 J3.54 J3.55 J3.56 J3.58 J3.60 J3.62 J3.64 J3.66 J3.68 J3.70 J3.72 J3.74 J3.76 J4.11 J4.12 J5.7 J9.16 J9.21 J9.22 J10.A8 J10.B8 T1.5 T1.6 U7.2 U7.9 U7.10 U7.11 U7.22 U10.4 U13.4 U14.6 U61.1 U61.10 U62.9

## Polygon pours and split planes (outlines as drawn)
GND on Layer 2 "GND_L2" (solid, remove dead copper, pour order 5): 26,0 26,17.725 60,17.725 60,57 ccw(c57,57) 57,60 3,60 ccw(c3,57) 0,57 0,3 ccw(c3,3) 3,0
GND on Layer 2 "GND_L2_2" (solid, remove dead copper, pour order 18): 54,18 54,0 57,0 ccw(c57,3) 60,3 60,18
VNEG on Layer 2 "VNEG_L2" (solid, remove dead copper, pour order 2): 27.324,6 36.972,6 37.858,5.114 37.858,1.142 51.142,1.142 52.5,2.5 52.5,5.5 52.5,16.281 27.324,16.281
VNEG on Top Layer "VNEG_L1" (solid, remove dead copper, pour order 21): 27.324,6 36.972,6 37.858,5.114 37.858,1.142 51.142,1.142 52.5,2.5 52.5,5.5 52.5,16.281 27.324,16.281
VPOS on Top Layer "VPOS_L1" (solid, remove dead copper, pour order 4): 35.45,8.5 35.45,10.725 36.088,10.725 36.088,9.375 38.897,9.375 41.047,7.225 47.1,7.225 47.1,5.1 46.275,4.275 38.025,4.275 36.8,5.5 26.45,5.5 26.45,8.5
3V3 on Top Layer "3V3_L1" (solid, remove dead copper, pour order 9): 36.502,24.766 40.266,24.766 41.5,26 41.5,37.509 44.992,40.842 45.108,51.3 37.85,51.3 37.85,30.85 35.4,28.4 35.4,24.746
GND on Top Layer "GND_L1" (solid, remove dead copper, pour order 16): 24.43,17.725 24.43,19 8,19 8,0 3,0 cw(c3,3) 0,3 0,57 cw(c3,57) 3,60 57,60 cw(c57,57) 60,57 60,17.725
VBUS on Top Layer "VBUS_L1" (solid, remove dead copper, pour order 12): 59.575,43.736 53.46,43.736 53.46,35.437 58.775,35.437 59.575,36.237
GND on Top Layer "GND_L1_2" (solid, remove dead copper, pour order 22): 54,18 54,0 57,0 ccw(c57,3) 60,3 60,18
VSS on Layer 3 "VSS_L3" (solid, remove dead copper, pour order 6): 27.2,6 36.972,6 37.858,5.114 37.858,1.142 51.142,1.142 52.5,2.5 52.5,5.5 54,7 57.48,7 57.48,16 27.2,16
GND on Layer 3 "GND_L3" (solid, remove dead copper, pour order 15): 26.175,0 26.175,14.975 28.875,17.675 60,17.675 60,57 ccw(c57,57) 57,60 3,60 ccw(c3,57) 0,57 0,3 ccw(c3,3) 3,0
5V_IN on Layer 3 "5V_IN_L3" (solid, remove dead copper, pour order 11): 48.062,28.663 48.062,31.359 50.003,33.3 51.275,33.3 52.268,34.293 52.268,39.232 50,41.5 44.325,41.5 42.05,39.225 42.05,35.55 41.5,35 24.7,35 20.175,39.525 17.659,39.559 17.659,37 14.5,37 14.5,33.5 16.5,31.5 39.5,31.5 40,31 40,25.869 41.369,24.5 45,24.5 46,25.5 46,27 46.5,27.5 46.9,27.5
VBUS on Layer 3 "VBUS_L3" (solid, remove dead copper, pour order 14): 59.4,38.183 52.575,38.183 52.575,34.164 50.011,31.6 48.9,31.6 48.25,31.15 48.25,29.839 48.989,29.1 59.3,29.1 59.4,29.2
3V3 on Layer 3 "3V3_L3" (solid, remove dead copper, pour order 10): 39.5,25 33,25 28.5,20.5 28.5,18.5 27.5,17.5 26,17.5 24,19.5 21,19.5 19,21.5 8.5,21.5 8,22 8,27 11.5,30.5 39.5,30.5
GND on Layer 3 "GND_L3_2" (solid, remove dead copper, pour order 19): 54,6 58,6 58,18 60,18 60,3 cw(c57,3) 57,0 54,0
GND on Layer 3 "GND_DIFF_L3" (solid, remove dead copper, pour order 1): 15.575,27.925 15.575,25.65 16,25.225 20.375,25.225 20.6,25.45 20.6,27.925
5V_PoE on Layer 3 "5V_PoE_L3" (solid, remove dead copper, pour order 8): 33,17.625 33,24 45,24 46.5,25.5 50,29 52.5,29 54,27.5 54,17.625
VPOS on Bottom Layer "VSS_L4" (solid, remove dead copper, pour order 3): 26.76,6.25 26.5,6.51 26.5,12.817 27.5,12.817 27.5,16 52.5,16 52.5,2.5 51.142,1.142 37.858,1.142 37.858,5.114 34.503,5.139 34.493,6.25
GND on Bottom Layer "GND_L4" (solid, remove dead copper, pour order 17): 25,0 25,17.725 60,17.725 60,57 ccw(c57,57) 57,60 3,60 ccw(c3,57) 0,57 0,3 ccw(c3,3) 3,0
PCIE_1V0 on Bottom Layer "PCIE_1V0_L4" (solid, remove dead copper, pour order 7): 10.672,32.5 10.672,27.172 8.5,25 8.5,23 10.34,23 11.74,21.6 13.4,21.6 14.16,20.84 16.04,20.84 16.925,21.725 16.925,26.575 14.677,28.823 14.677,31.323 13.5,32.5
GND on Bottom Layer "GND_L4_2" (solid, remove dead copper, pour order 23): 54,18 54,0 57,0 ccw(c57,3) 60,3 60,18
VBUS on Bottom Layer "VBUS_L4" (solid, remove dead copper, pour order 13): 56.8,42.262 57.825,41.237 57.825,36.337 58,36.162 59.5,36.162 59.65,36.312 59.65,42.512 58.542,43.62 56.8,43.62

## Keep-outs
Top Layer:
  region: 26.948,17.594 25.723,17.594 25.723,8.775 26.948,8.775
  region: 57.225,16.35 57.225,17.575 26.925,17.575 26.925,16.35
Bottom Layer:
  region: 26.939,17.599 25.714,17.599 25.714,8.6 26.939,8.6
  region: 57.225,16.35 57.225,17.575 26.925,17.575 26.925,16.35

## Silkscreen, mask and mechanical layers (free items; w line width, h text height)
Top Overlay:
  drawing of 10 lines, arcs and shapes, not listed
  text ".project_title / .revision" at 4.08,23.569 h1.5 r90
Bottom Overlay:
  drawing of 7 lines, arcs and shapes, not listed
  text ".project_title / .revision" at 34.772,56.997 h1.5
  text "MODULE_JTAG" at 48.957,52.673 h1.5
  text "e" at 14.648,45.286 h8
  text "1V05" at 28.558,42.677 h1.5
  text "2V8" at 29.606,41.351 h1.5
  text "MOD_RST" at 3.128,41.246 h1.5 r270
  text "USB3.0" at 52.553,39.842 h1.52 r270
  text "W" at 34.86,39.04 h6
  text "nRST" at 10.783,38.04 h1.5
  text "PG" at 9.043,34.51 h1.5
  text "5V" at 2.146,32.98 h1.5
  text "5V" at 8.799,32.169 h1.5
  text "5V_PoE" at 56.571,24.459 h1.5
  text "OAK-1-PoE" at 7.743,22.914 h1.52
  text "o" at 1.325,19 h15
  text "VSS" at 57.708,12.76 h1.5
  text "VDD" at 35.124,12.532 h1.5
  text "VNEG" at 34.643,11 h1.5
  text "VPOS" at 33.131,7.535 h1.5
Board:
  the board outline again, w0.102
Top Assembly:
  circle w0.1: c3,21 r2.5
  circle w0.1: c50,3.5 r2.5
Bottom Assembly:
  circle w0.1: c3,21 r2.5
  circle w0.1: c4,15 r2.5
  circle w0.1: c50,3.5 r2.5
Drill Drawing:
  circle w0.254: c-59.954,34.953 r0.46
  lines w0.254: -60.414,22.304 -60.184,22.304 -59.954,22.074 -59.724,22.304 -59.494,22.304 -59.724,22.534 -59.494,22.764 -59.724,22.764 -59.954,22.994 -60.184,22.764 -60.414,22.764 -60.184,22.534 -60.414,22.304 ; -60.414,24.374 -60.184,24.374 -60.184,24.144 -59.724,24.144 -59.724,24.374 -59.494,24.374 -59.494,24.834 -59.724,24.834 -59.724,25.064 -60.184,25.064 -60.184,24.834 -60.414,24.834 -60.414,24.374 ; -60.414,26.214 -59.494,26.214 -59.494,27.134 -60.414,27.134 -60.414,26.214 ; -60.414,28.744 -59.954,28.284 -59.494,28.744 -59.954,29.204 -60.414,28.744 ; -60.414,30.354 -59.954,30.584 -59.494,30.354 -59.724,30.814 -59.494,31.274 -59.954,31.044 -60.414,31.274 -60.184,30.814 -60.414,30.354 ; -60.414,33.344 -59.494,33.344 -59.954,32.424 -60.414,33.344 ; -60.414,36.563 -59.494,36.563 -59.494,37.483 -60.414,37.483 -60.414,36.563 ; -60.414,38.633 -60.414,38.863 -60.184,39.093 -60.414,39.323 -60.414,39.553 -60.184,39.553 -59.954,39.323 -59.724,39.553 -59.494,39.553 -59.494,39.323 -59.724,39.093 -59.494,38.863 -59.494,38.633 -59.724,38.633 -59.954,38.863 -60.184,38.633 -60.414,38.633 ; -60.414,40.703 -59.954,40.933 -59.494,40.703 -59.724,41.163 -59.494,41.623 -59.954,41.393 -60.414,41.623 -60.184,41.163 -60.414,40.703 ; -60.414,43.693 -59.494,43.693 -59.954,42.773 -60.414,43.693 ; -60.414,45.073 -60.184,45.073 -59.954,44.843 -59.724,45.073 -59.494,45.073 -59.724,45.303 -59.494,45.533 -59.724,45.533 -59.954,45.763 -60.184,45.533 -60.414,45.533 -60.184,45.303 -60.414,45.073 ; -60.23,26.398 -59.678,26.398 -59.678,26.95 -60.23,26.95 -60.23,26.398 ; -60.23,40.887 -59.954,41.025 -59.678,40.887 -59.816,41.163 -59.678,41.439 -59.954,41.301 -60.23,41.439 -60.092,41.163 -60.23,40.887 ; -60.23,43.509 -59.678,43.509 -59.954,42.957 -60.23,43.509 ; -60.23,45.165 -60.092,45.165 -59.954,45.027 -59.816,45.165 -59.678,45.165 -59.816,45.303 -59.678,45.441 -59.816,45.441 -59.954,45.579 -60.092,45.441 -60.23,45.441 -60.092,45.303 -60.23,45.165
  lines w0.381: -61.275,21.453 -25.42,21.453 ; -61.275,46.292 -25.42,46.292 ; -55.956,19.384 -55.956,48.362 ; -51.093,19.384 -51.093,48.362 ; -41.535,19.384 -41.535,48.362 ; -37.409,19.384 -37.409,48.362 ; -61.275,19.384 -25.42,19.384 -25.42,48.362 -61.275,48.362 -61.275,19.384
  text "Symbol" at -60.033,46.913 h1.2
  text "Count" at -55.335,46.913 h1.2
  text "Hole Size" at -50.472,46.913 h1.2
  text "Plated" at -40.914,46.913 h1.2
  text "Drill Layer Pair" at -36.788,46.913 h1.2
  text "10" at -55.335,44.843 h1
  text "8,00mil (0,203mm)" at -50.472,44.843 h1
  text "PTH" at -40.914,44.843 h1
  text "Top Layer - Bottom Layer" at -36.788,44.843 h1
  text "687" at -55.335,42.773 h1
  text "10,00mil (0,254mm)" at -50.472,42.773 h1
  text "PTH" at -40.914,42.773 h1
  text "Top Layer - Bottom Layer" at -36.788,42.773 h1
  text "2" at -55.335,40.703 h1
  text "17,72mil (0,450mm)" at -50.472,40.703 h1
  text "PTH" at -40.914,40.703 h1
  text "Top Layer - Bottom Layer" at -36.788,40.703 h1
  text "4" at -55.335,38.633 h1
  text "27,56mil (0,700mm)" at -50.472,38.633 h1
  text "PTH" at -40.914,38.633 h1
  text "Top Layer - Bottom Layer" at -36.788,38.633 h1
  text "4" at -55.335,36.563 h1
  text "31,50mil (0,800mm)" at -50.472,36.563 h1
  text "PTH" at -40.914,36.563 h1
  text "Top Layer - Bottom Layer" at -36.788,36.563 h1
  text "14" at -55.335,34.494 h1
  text "35,43mil (0,900mm)" at -50.472,34.494 h1
  text "PTH" at -40.914,34.494 h1
  text "Top Layer - Bottom Layer" at -36.788,34.494 h1
  text "4" at -55.335,32.424 h1
  text "40,16mil (1,020mm)" at -50.472,32.424 h1
  text "PTH" at -40.914,32.424 h1
  text "Top Layer - Bottom Layer" at -36.788,32.424 h1
  text "2" at -55.335,30.354 h1
  text "66,93mil (1,700mm)" at -50.472,30.354 h1
  text "PTH" at -40.914,30.354 h1
  text "Top Layer - Bottom Layer" at -36.788,30.354 h1
  text "2" at -55.335,28.284 h1
  text "78,74mil (2,000mm)" at -50.472,28.284 h1
  text "PTH" at -40.914,28.284 h1
  text "Top Layer - Bottom Layer" at -36.788,28.284 h1
  text "4" at -55.335,26.214 h1
  text "108,27mil (2,750mm)" at -50.472,26.214 h1
  text "PTH" at -40.914,26.214 h1
  text "Top Layer - Bottom Layer" at -36.788,26.214 h1
  text "2" at -55.335,24.144 h1
  text "118,11mil (3,000mm)" at -50.472,24.144 h1
  text "PTH" at -40.914,24.144 h1
  text "Top Layer - Bottom Layer" at -36.788,24.144 h1
  text "2" at -55.335,22.074 h1
  text "125,98mil (3,200mm)" at -50.472,22.074 h1
  text "PTH" at -40.914,22.074 h1
  text "Top Layer - Bottom Layer" at -36.788,22.074 h1
  text "737 Total" at -55.335,20.005 h1
  text "Slot definitions :" at -60.033,18.556 h1
  text "Routed Path Length" at -53.222,18.556 h1
  text "= Calculated from tool start centre position to tool end centre position." at -44.781,18.556 h1
  text "Hole Length" at -53.222,17.728 h1
  text "= Routed Path Length + Tool Size = Slot length as defined in the PCB layout" at -47.914,17.728 h1

## Text inside footprints (layer, text, board x,y; h text height)
J4: Bottom Overlay "1" at 41.165,53.946 h1; Bottom Overlay "10" at 47.727,54.061 h1; Assembly Notes "Top contact ffc" at 41.419,59.133 h1 r180
J5: Bottom Overlay "1" at 23.112,45.439 h1 r270; Bottom Overlay "9" at 15.754,45.335 h1 r270
J8: Bottom Overlay "1" at 15.642,58.965 h1; Bottom Overlay "9" at 15.621,51.419 h1
SW1: Bottom Overlay "ON" at 59.235,25.746 h1
U61: Assembly Notes "Based on 0.125 thick stencil" at 53.419,49.936 h0.5